# KiCad board anavi-dev-mic.kicad_pcb
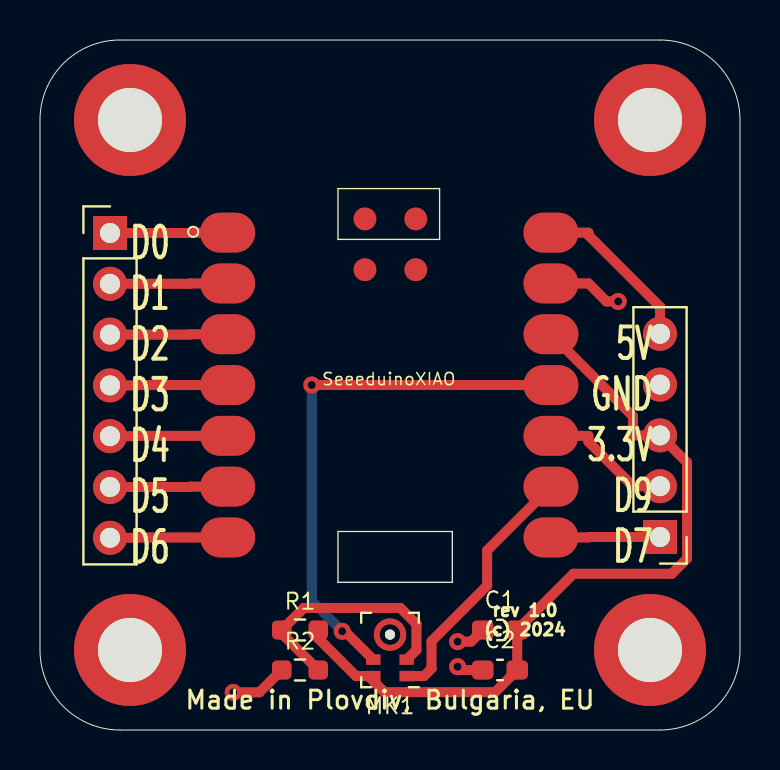
[diagram p0: board, top side]
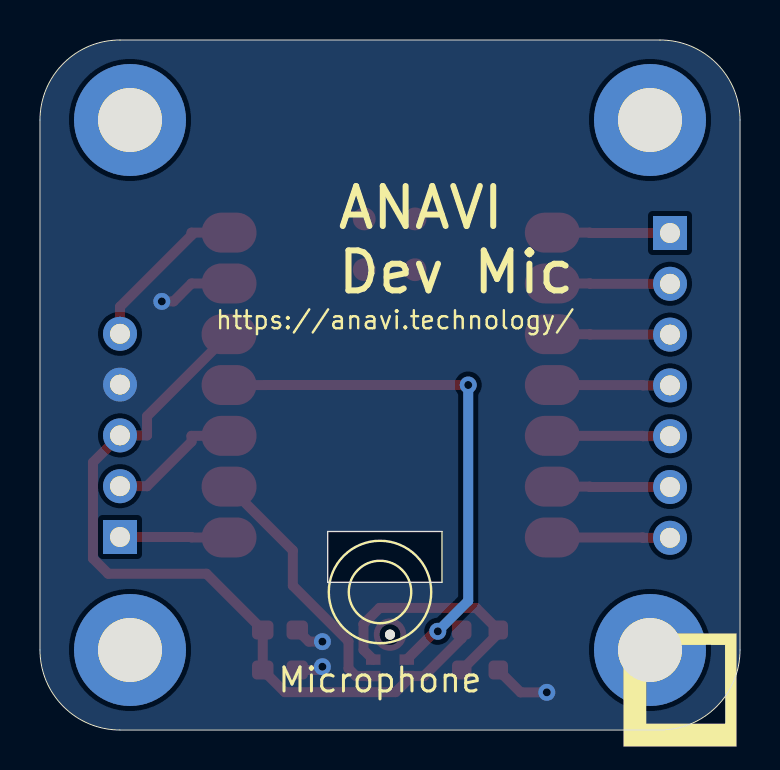
[diagram p1: board, bottom side, seen from below]

Outline 35 x 34.5 mm; copper layers: Top, Bottom. Coordinates in mm from the lower left corner of the outline.
Outline path: 0,30.5 arc(1.17,33.33) 4,34.5 31,34.5 arc(33.83,33.33) 35,30.5 35,4 arc(33.83,1.17) 31,0 4,0 arc(1.17,1.17) 0,4 0,30.5
Stack: Top 0.035mm / dielectric 1.51mm FR4 er 4.5 / Bottom 0.035mm

## Placement (name value [footprint] x y rotation side)
C1  1uF  [C_0603_1608Metric_Pad1.08x0.95mm_HandSolder]  23 5 180 top
C2  0.1uF  [C_0603_1608Metric_Pad1.08x0.95mm_HandSolder]  23 3 180 top
G***  LOGO  [anavi-logo]  3 2 0 top
J1  Conn_01x07_Male  [PinHeader_1x07_P2.54mm_Vertical]  3.5 24.85 0 top
J2  Conn_01x05_Male  [PinHeader_1x05_P2.54mm_Vertical]  31 9.65 180 top
MH1  -  [MountingHole_3.2mm_M3_DIN965_Pad]  4.5 30.5 0 top
MH2  MountingHole_3.2mm_M3_DIN965_Pad  [MountingHole_3.2mm_M3_DIN965_Pad#2]  30.5 30.5 0 top
MH3  MountingHole_3.2mm_M3_DIN965_Pad  [MountingHole_3.2mm_M3_DIN965_Pad#3]  4.5 4 0 top
MK1  MP23DB01HPTR  [Knowles_LGA-5_3.5x2.65mm]  17.5 4 180 top
R1  N/A  [R_0603_1608Metric_Pad0.98x0.95mm_HandSolder]  13 5 0 top
R2  10K  [R_0603_1608Metric_Pad0.98x0.95mm_HandSolder]  13 3 0 top
REF**  MountingHole_3.2mm_M3_DIN965_Pad  [MountingHole_3.2mm_M3_DIN965_Pad#4]  30.5 4 0 top
U1  SeeeduinoXIAO  [Seeeduino XIAO-MOUDLE14P-2.54-21X17.8MM]  8.55 6.75 0 top

## Footprints (pads in the part's own frame, mm; a bottom-side part is the same pattern mirrored in y, then rotated)
C_0603_1608Metric_Pad1.08x0.95mm_HandSolder
  rrect 1.075x0.95 smd: 1(-0.863,0) 2(0.863,0)
Knowles_LGA-5_3.5x2.65mm
  round 0.5 hole 0.5 unplated: (0,-0.77)
  rect 0.725x0.522 smd: 1(-0.838,1.304) 2(-0.838,0.482) 4(0.838,0.482) 5(0.838,1.304)
  custom 1.625x1.625 smd: 3(0,-1.433)
MountingHole_3.2mm_M3_DIN965_Pad
  round 5.6 hole 3.2: 1(0,0)
MountingHole_3.2mm_M3_DIN965_Pad#2
  round 5.6 hole 3.2: 2(0,0)
MountingHole_3.2mm_M3_DIN965_Pad#3
  round 5.6 hole 3.2: 4(0,0)
MountingHole_3.2mm_M3_DIN965_Pad#4
  round 5.6 hole 3.2: 3(0,0)
PinHeader_1x05_P2.54mm_Vertical
  rect 1.7x1.7 hole 1: 1(0,0)
  oval 1.7x1.7 hole 1: 2(0,-2.54) 3(0,-5.08) 4(0,-7.62) 5(0,-10.16)
PinHeader_1x07_P2.54mm_Vertical
  rect 1.7x1.7 hole 1: 1(0,0)
  oval 1.7x1.7 hole 1: 2(0,-2.54) 3(0,-5.08) 4(0,-7.62) 5(0,-10.16) 6(0,-12.7) 7(0,-15.24)
R_0603_1608Metric_Pad0.98x0.95mm_HandSolder
  rrect 0.975x0.95 smd: 1(-0.912,0) 2(0.912,0)
Seeeduino XIAO-MOUDLE14P-2.54-21X17.8MM
  oval 2.748x1.999 smd: 1(0.833,18.118) 2(0.833,15.578) 3(0.833,13.038) 4(0.833,10.498) 5(0.833,7.958) 6(0.833,5.418) 7(0.833,2.878) 8(16.998,2.878) 9(16.998,5.418) 10(16.998,7.958) 11(16.998,10.498) 12(16.998,13.038) 13(16.998,15.578) 14(16.998,18.118)
  round 1.143 smd: 17(7.699,18.804) 18(10.239,18.804) 19(7.699,16.264) 20(10.239,16.264)

## Nets
+3V3: C1.1 C2.1 J2.3 MK1.5 R1.2 U1.12
GND: C1.2 C2.2 J2.4 MK1.3 R2.1 U1.13
Net-(J1-Pad1): J1.1 U1.1
Net-(J1-Pad2): J1.2 U1.2
Net-(J1-Pad3): J1.3 U1.3
Net-(J1-Pad4): J1.4 U1.4
Net-(J1-Pad5): J1.5 U1.5
Net-(J1-Pad6): J1.6 U1.6
Net-(J1-Pad7): J1.7 U1.7
Net-(J2-Pad1): J2.1 U1.8
Net-(J2-Pad2): J2.2 U1.10
Net-(J2-Pad5): J2.5 U1.14
Net-(MK1-Pad1): MK1.1 U1.9
Net-(MK1-Pad2): MK1.2 R1.1 R2.2
Net-(MK1-Pad4): MK1.4 U1.11

Pads without a net: MH1 1; MH2 2; MH3 4; REF** 3; U1 17 18 19 20

## Via types
v1: diameter 0.85, hole 0.4, Top to Bottom, 6 vias

## Routing (per net, layer and track width the routed paths; a pad name or vN(x,y) marks a point on that pad's centre or on a via; arc(x,y) is an arc through that point)
+3V3: length 39
  Top w0.5: 16.42,2.7 17.22,1.89 22.76,1.89 C2.1 C1.1 26.67,7.81 31.59,7.81 32.35,8.58 32.35,13.38 J2.3 29.65,14.73 29.65,15.69 U1.12 ; 16.42,2.7 15.8,2.7 13.91,4.58 R1.2 ; 16.42,2.7 MK1.5
GND: length 9.4
  Top w0.5: R2.1 10.97,1.88 v1(9.66,1.88) ; v1(20.88,3.17) 21.05,3 C2.2 ; v1(20.88,4.42) 21.56,4.42 C1.2 ; v1(28.91,21.43) 28.32,21.43 27.42,22.33 U1.13
Net-(J1-Pad1): length 5.9
  Top w0.5: U1.1 7.51,24.87 7.49,24.85 J1.1
Net-(J1-Pad2): length 5.9
  Top w0.5: J1.2 7.49,22.31 7.51,22.33 U1.2
Net-(J1-Pad3): length 5.9
  Top w0.5: U1.3 7.51,19.79 7.49,19.77 J1.3
Net-(J1-Pad4): length 5.9
  Top w0.5: U1.4 4.87,17.25 4.85,17.23 J1.4
Net-(J1-Pad5): length 5.9
  Top w0.5: U1.5 4.87,14.71 4.85,14.69 J1.5
Net-(J1-Pad6): length 5.9
  Top w0.5: J1.6 7.49,12.15 7.51,12.17 U1.6
Net-(J1-Pad7): length 5.9
  Top w0.5: J1.7 4.85,9.61 4.87,9.63 U1.7
Net-(J2-Pad1): length 5.5
  Top w0.5: J2.1 27.45,9.65 27.42,9.63 U1.8
Net-(J2-Pad2): length 6.7
  Top w0.5: U1.10 27.42,14.71 27.42,14.41 29.65,12.19 J2.2
Net-(J2-Pad5): length 8.4
  Top w0.5: J2.5 31,21.16 27.42,24.74 27.42,24.87 U1.14
Net-(MK1-Pad1): length 13
  Top w0.5: U1.9 22.36,8.98 22.36,7.22 19.58,4.44 19.58,3.07 19.2,2.7 MK1.1
Net-(MK1-Pad2): length 12.3
  Top w0.5: MK1.2 18.82,4 18.82,5.3 18.02,6.1 13.19,6.1 R1.1 12.09,4.83 R2.2
Net-(MK1-Pad4): length 27
  Top w0.5: v1(13.59,17.25) 23.67,17.25 23.67,17.25 U1.11 ; MK1.4 15.25,4.93 v1(15.11,4.93)
  Bottom w0.5: v1(15.11,4.93) 13.59,6.46 v1(13.59,17.25)

## Copper pours and planes (outline as drawn; the poured copper is in the pictures)
GND on Bottom: 0,34.5 35,34.5 35,0 0,0

## Text on the board
B.Silkscreen: https://anavi.technology/ | Microphone | ANAVI / Dev Mic
F.Silkscreen: rev 1.0 / (c) 2024 | Made in Plovdiv, Bulgaria, EU | D0 / D1 / D2 / D3 / D4 / D5 / D6 | 5V / GND / 3.3V / D9 / D7
